# Altium PCB PCB.PcbDoc (part 4 of 4)
Units mm, origin at the board's own origin, x right, y up, seen from the top; angles counter-clockwise.
Board outline 120 x 75 mm, 4 copper layers (Top, GND 1, Power 2, Bottom), stack 1.586 mm thick; 171 components, 182 nets, 885 pads, 530 vias.
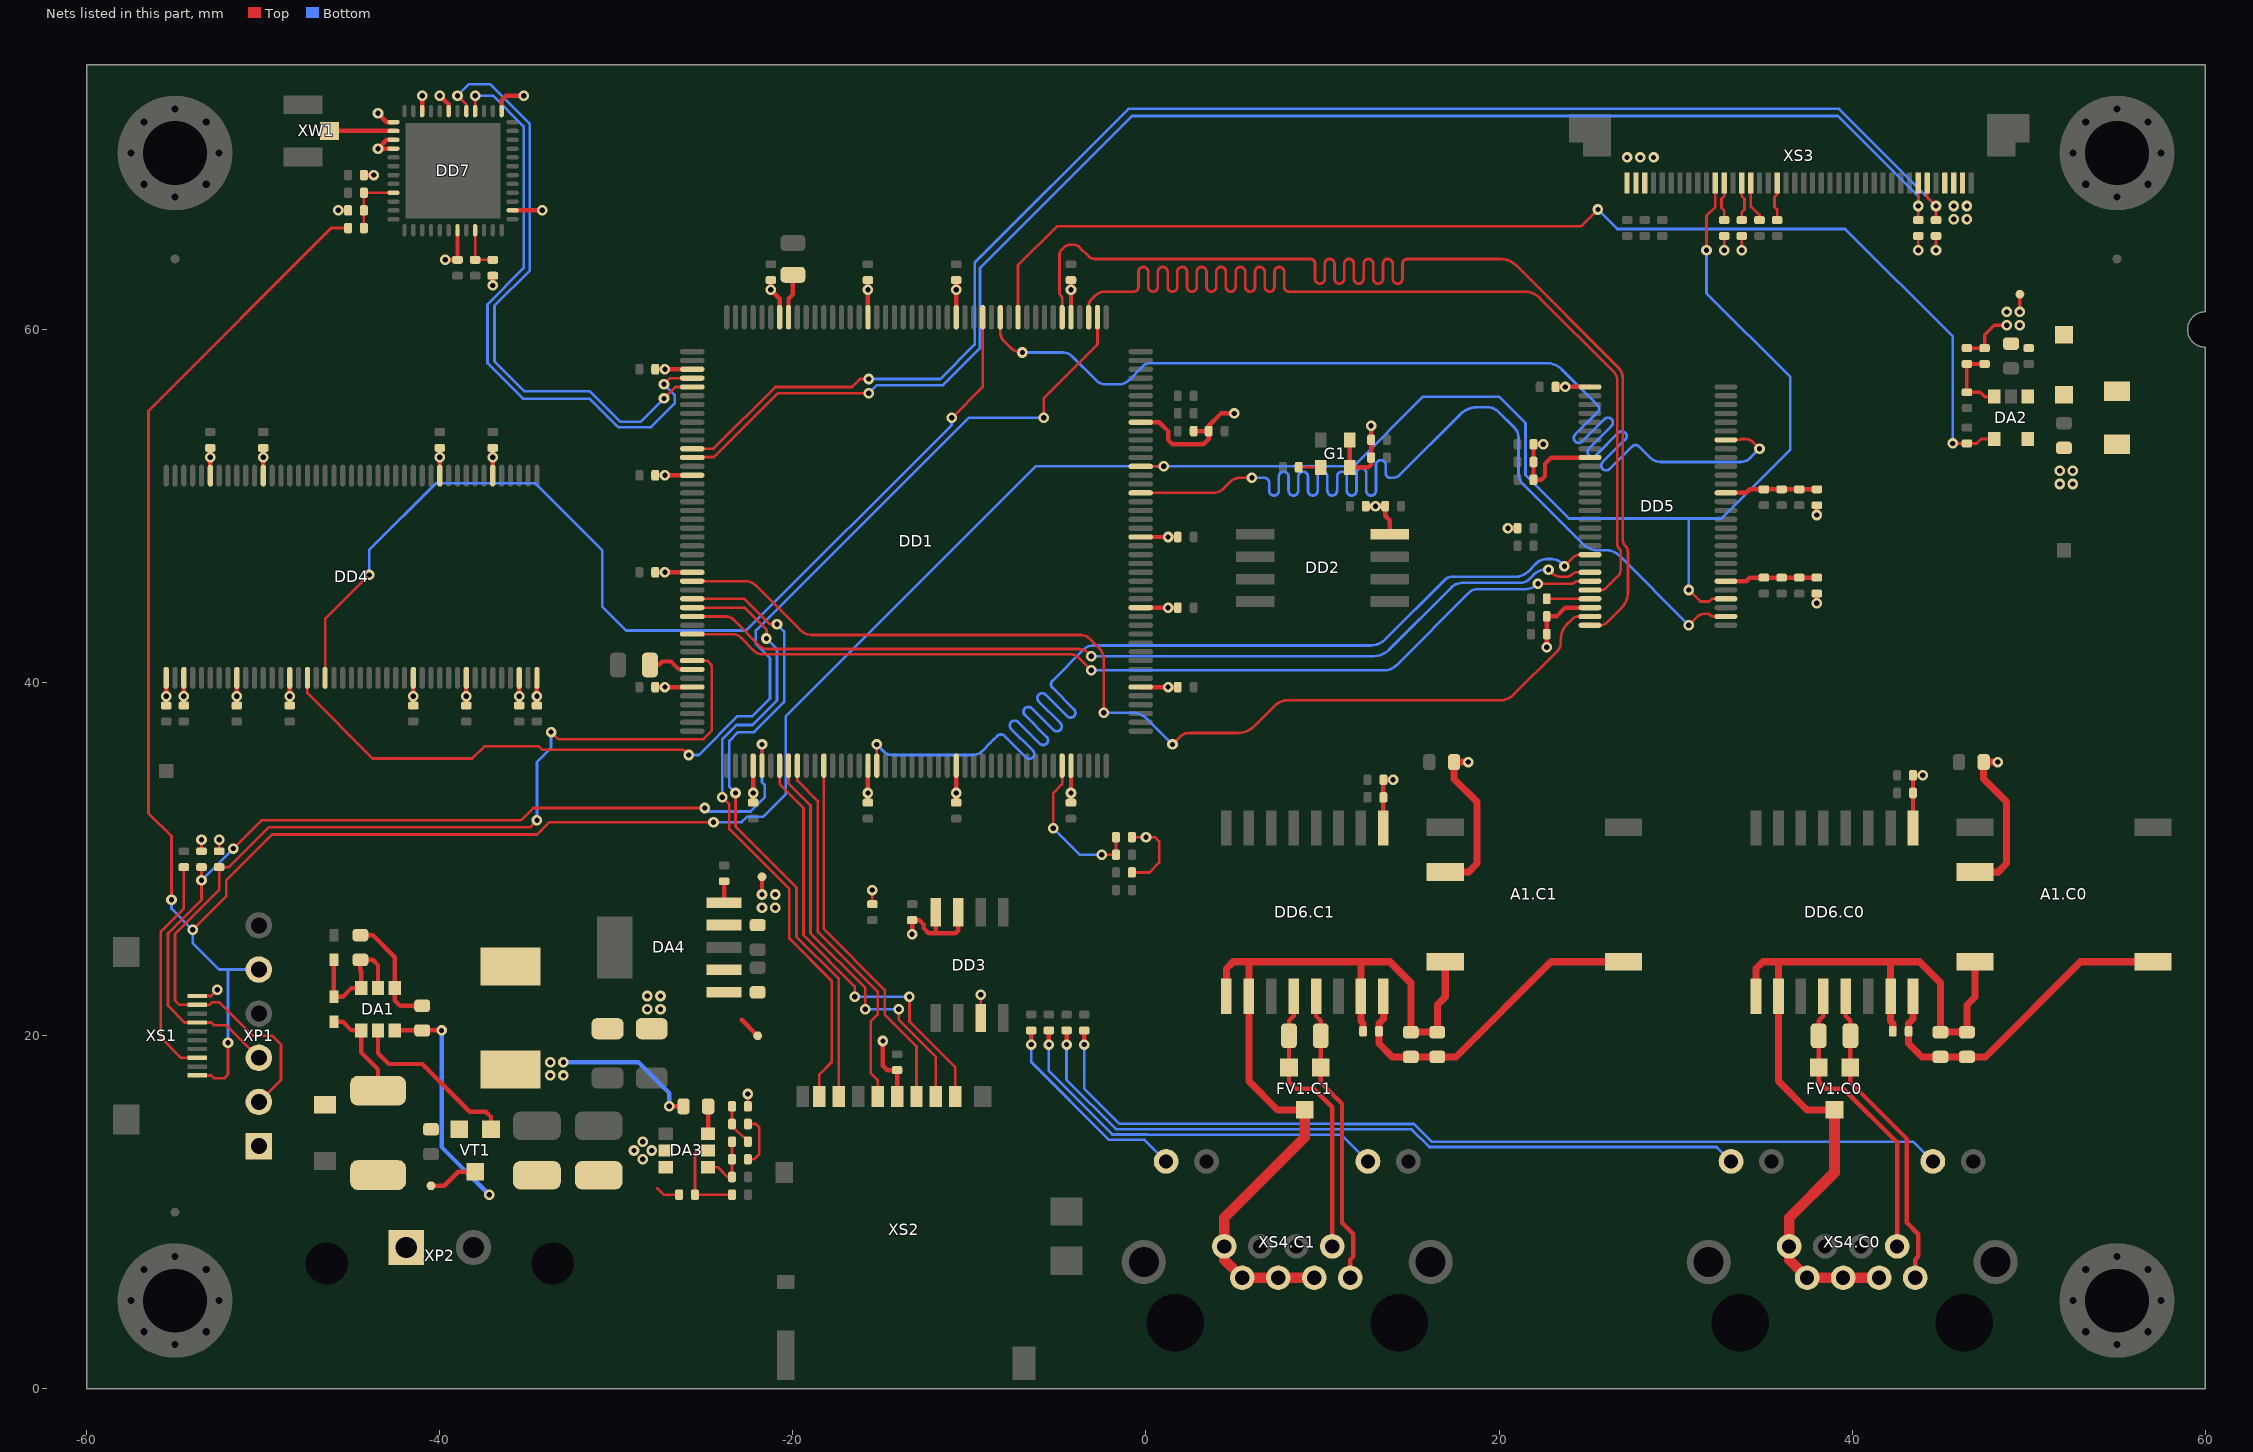
[diagram p6: the nets of this part, all layers, seen from the top]

## Via types
v1: diameter 0.6, hole 0.3, Top to Bottom, tented both sides, 505 vias
v2: diameter 0.6, hole 0.3, Top to Bottom, 25 vias

## Nets (pads, with @x,y where several pads share a name; then routed paths per layer and width w, separated by ;. In a path a pad name is that pad's centre, name@x,y a point inside that pad or via, vN(x,y) a via of type N, cw(c..) or ccw(c..) an arc to the next point about the centre after c; other vN are vias at no path point) (continued)
LCD_DATA19: DD1.150 DD5.20 | length 62.9
  Top w0.15: DD1.150@-15.25,35.3 v1(-15.25,36.5) ; v1(23.7,46.6) 24.2,47.1 cw(c24.562,46.738) 24.562,47.25 DD5.20@25.15,47.25
  Bottom w0.15: v1(-15.25,36.5) -14.827,36.077 ccw(c-14.4,36.504) -14.4,35.9 -9.8,35.9 ccw(c-9.8,36.624) -9.288,36.112 -8.8,36.6 -8.606,36.794 -8.411,36.989 cw(c-8.217,36.794) -8.022,36.989 -6.799,35.766 ccw(c-6.605,35.96) -6.41,35.766 ccw(c-6.605,35.96) -6.41,36.155 -7.633,37.378 cw(c-7.439,37.572) -7.633,37.767 cw(c-7.439,37.572) -7.244,37.767 -6.021,36.544 ccw(c-5.827,36.738) -5.632,36.544 ccw(c-5.827,36.738) -5.632,36.933 -6.855,38.156 cw(c-6.661,38.35) -6.855,38.545 cw(c-6.661,38.35) -6.467,38.545 -5.243,37.321 ccw(c-5.049,37.516) -4.855,37.321 ccw(c-5.049,37.516) -4.855,37.71 -6.078,38.933 cw(c-5.883,39.128) -6.078,39.322 cw(c-5.883,39.128) -5.689,39.322 -4.466,38.099 ccw(c-4.271,38.294) -4.077,38.099 ccw(c-4.271,38.294) -4.077,38.488 -5.3,39.711 cw(c-5.106,39.906) -5.3,40.1 -3.5,41.9 ; -3.5,41.9 cw(c-3.017,41.417) -3.017,42.1 12.705,42.1 ccw(c12.705,43.295) 13.55,42.45 16.9,45.8 ; 16.9,45.8 cw(c17.383,45.317) 17.383,46 20.961,46 ccw(c20.961,46.939) 21.625,46.275 22.103,46.753 cw(c22.7,46.155) 22.7,47 23,47 cw(c23,46.276) 23.512,46.788 v1(23.7,46.6)
LCD_DATA20: DD1.119 DD5.22 | length 53.8
  Top w0.15: DD1.119@-25.7,43.75 -23.8,43.75 cw(c-23.8,43.146) -23.373,43.573 -21.854,42.054 ccw(c-21.5,42.407) -21.5,41.907 -3.795,41.907 cw(c-3.795,41.212) -3.304,41.704 v1(-3.1,41.5) ; v1(22.8,46.4) 22.98,46.22 ccw(c23.512,46.752) 23.512,46 23.823,46 ccw(c23.823,46.427) 24.125,46.125 cw(c24.427,45.823) 24.427,46.25 DD5.22@25.15,46.25
  Bottom w0.15: v1(-3.1,41.5) 12.905,41.5 ccw(c12.905,42.695) 13.75,41.85 17.3,45.4 ; 17.301,45.401 cw(c17.904,44.796) 17.904,45.65 21.2,45.65 ccw(c21.2,46.374) 21.712,45.862 21.981,46.131 cw(c22.63,45.482) 22.63,46.4 v1(22.8,46.4)
LCD_DATA21: DD1.121 DD5.23 | length 53.6
  Top w0.15: DD1.121@-25.7,42.75 -23.433,42.75 cw(c-23.433,42.067) -22.95,42.55 -22.173,41.773 ccw(c-21.767,42.18) -21.767,41.605 -4.294,41.605 cw(c-4.294,40.906) -3.8,41.4 v1(-3.1,40.7) ; v1(22.2,45.6) 24.094,45.6 ccw(c24.094,45.856) 24.275,45.675 ; 24.275,45.675 cw(c24.456,45.494) 24.456,45.75 DD5.23@25.15,45.75
  Bottom w0.15: v1(-3.1,40.7) 13.5,40.7 ccw(c13.5,41.666) 14.183,40.983 18.3,45.1 cw(c18.783,44.617) 18.783,45.3 21.5,45.3 ccw(c21.5,46.266) 22.183,45.583 v1(22.2,45.6)
LCD_DATA22: DD1.47 DD5.24 | length 64.8
  Top w0.15: DD1.47@-3.25,60.7 -3.25,61.338 cw(c-2.738,61.338) -3.1,61.7 -2.875,61.925 cw(c-2.332,61.382) -2.332,62.15 -1.678,62.15 -1.675,62.148 -0.7,62.148 ccw(c-0.7,62.423) -0.425,62.423 -0.425,63.273 cw(c-0.15,63.273) -0.15,63.548 cw(c-0.15,63.273) 0.125,63.273 0.125,62.423 ccw(c0.4,62.423) 0.4,62.148 ccw(c0.4,62.423) 0.675,62.423 0.675,63.273 cw(c0.95,63.273) 0.95,63.548 cw(c0.95,63.273) 1.225,63.273 1.225,62.423 ccw(c1.5,62.423) 1.5,62.148 ccw(c1.5,62.423) 1.775,62.423 1.775,63.273 cw(c2.05,63.273) 2.05,63.548 cw(c2.05,63.273) 2.325,63.273 2.325,62.423 ccw(c2.6,62.423) 2.6,62.148 ccw(c2.6,62.423) 2.875,62.423 2.875,63.273 cw(c3.15,63.273) 3.15,63.548 cw(c3.15,63.273) 3.425,63.273 3.425,62.423 ccw(c3.7,62.423) 3.7,62.148 ccw(c3.7,62.423) 3.975,62.423 3.975,63.273 cw(c4.25,63.273) 4.25,63.548 cw(c4.25,63.273) 4.525,63.273 4.525,62.423 ccw(c4.8,62.423) 4.8,62.148 ccw(c4.8,62.423) 5.075,62.423 5.075,63.273 cw(c5.35,63.273) 5.35,63.548 cw(c5.35,63.273) 5.625,63.273 5.625,62.423 ccw(c5.9,62.423) 5.9,62.148 ccw(c5.9,62.423) 6.175,62.423 ; 6.175,63.273 cw(c6.45,63.273) 6.45,63.548 cw(c6.45,63.273) 6.725,63.273 6.725,62.423 ccw(c7,62.423) 7,62.148 ccw(c7,62.423) 7.275,62.423 7.275,63.273 cw(c7.55,63.273) 7.55,63.548 cw(c7.55,63.273) 7.825,63.273 7.825,62.423 ccw(c8.1,62.423) 8.1,62.148 8.375,62.148 8.7,62.148 21.459,62.148 cw(c21.459,60.957) 22.301,61.799 26.45,57.65 cw(c25.852,57.052) 26.698,57.052 26.698,48.112 26.698,47.843 ccw(c27.043,47.843) 26.698,47.842 ccw(c27.043,47.843) 26.799,47.599 cw(c26.554,47.354) 26.9,47.354 26.9,46.483 cw(c26.217,46.483) 26.7,46 26.05,45.35 cw(c25.809,45.591) 25.809,45.25 DD5.24@25.15,45.25 ; 6.175,62.423 6.175,63.273
LCD_DATA23: DD5.25 R1.1 | length 2.4
  Top w0.15: R1.1@22.7,44.75 DD5.25@25.15,44.75
LCD_DATA24: DD1.115 DD5.27 | length 59.8
  Top w0.15: DD1.115@-25.7,45.75 -22.704,45.75 cw(c-22.704,44.896) -22.101,45.501 ; -22.1,45.5 -19.583,42.983 ; -19.582,42.982 ccw(c-18.9,43.666) -18.9,42.7 -3.7,42.7 cw(c-3.7,41.976) -3.188,42.488 -2.65,41.95 cw(c-3.254,41.346) -2.4,41.346 v1(-2.4,38.3) ; v1(1.5,36.5) 1.95,36.95 cw(c2.433,36.467) 2.433,37.15 5.2,37.15 ccw(c5.2,38.478) 6.138,37.538 7.3,38.7 ; 7.3,38.7 cw(c8.024,37.976) 8.024,39 20.076,39 ccw(c20.076,40.024) 20.8,39.3 23.329,41.829 ccw(c22.915,42.242) 23.5,42.242 23.5,42.484 cw(c24.624,42.484) 23.829,43.279 ; 23.829,43.279 24.159,43.609 cw(c24.5,43.267) 24.5,43.75 DD5.27@25.15,43.75
  Bottom w0.15: v1(-2.4,38.3) -0.795,38.3 cw(c-0.795,37.105) 0.05,37.95 v1(1.5,36.5)
LCD_DATA25: DD1.50 DD5.28 | length 66
  Top w0.15: DD1.50@-4.75,60.7 -4.75,61.744 ccw(c-5.006,61.744) -4.825,61.925 cw(c-4.644,62.106) -4.9,62.106 -4.9,64.25 cw(c-4.538,64.25) -4.794,64.506 -4.647,64.653 ; -4.647,64.653 cw(c-4.292,64.298) -4.292,64.8 -4.096,64.8 cw(c-4.096,64.327) -3.761,64.661 -3.241,64.141 ccw(c-2.9,64.483) -2.9,64 8.75,64 9.025,64 9.3,64 cw(c9.3,63.725) 9.575,63.725 9.575,62.875 ccw(c9.85,62.875) 9.85,62.6 ccw(c9.85,62.875) 10.125,62.875 10.125,63.725 cw(c10.4,63.725) 10.4,64 cw(c10.4,63.725) 10.675,63.725 10.675,62.875 ccw(c10.95,62.875) 10.95,62.6 ccw(c10.95,62.875) 11.225,62.875 11.225,63.725 cw(c11.5,63.725) 11.5,64 cw(c11.5,63.725) 11.775,63.725 11.775,62.875 ccw(c12.05,62.875) 12.05,62.6 ccw(c12.05,62.875) 12.325,62.875 12.325,63.725 cw(c12.6,63.725) 12.6,64 cw(c12.6,63.725) 12.875,63.725 12.875,62.875 ccw(c13.15,62.875) 13.15,62.6 ccw(c13.15,62.875) 13.425,62.875 13.425,63.725 cw(c13.7,63.725) 13.7,64 cw(c13.7,63.725) 13.975,63.725 13.975,62.875 ccw(c14.25,62.875) 14.25,62.6 ccw(c14.25,62.875) 14.525,62.875 14.525,63.725 cw(c14.8,63.725) 14.8,64 16.1,64 20.1,64 cw(c20.1,62.793) 20.954,63.646 26.75,57.85 cw(c26.147,57.247) 27,57.247 27,48.112 ccw(c27.512,48.112) 27.15,47.75 ; DD5.28@25.15,43.25 25.738,43.25 ccw(c25.738,43.762) 26.1,43.4 26.9,44.2 ccw(c25.934,45.166) 27.3,45.166 27.3,47.388 ccw(c26.788,47.388) 27.15,47.75
LCD_DATA26: DD1.28 DD5.30 | length 56.6
  Top w0.15: DD1.28@-0.3,50.75 3.796,50.75 ccw(c3.796,51.604) 4.4,51 4.788,51.388 cw(c5.3,50.876) 5.3,51.6 v1(6,51.6) ; v1(30.75,43.25) 31.223,43.723 cw(c31.65,43.296) 31.65,43.9 31.794,43.9 cw(c31.794,43.644) 31.975,43.825 ; 31.975,43.825 ccw(c32.156,44.006) 32.156,43.75 DD5.30@32.85,43.75
  Bottom w0.15: v1(6,51.6) 6.7,51.6 cw(c6.7,51.325) 6.975,51.325 6.975,50.875 ccw(c7.25,50.875) 7.25,50.6 ccw(c7.25,50.875) 7.525,50.875 7.525,51.6 7.525,51.673 cw(c7.8,51.673) 7.8,51.948 cw(c7.8,51.673) 8.075,51.673 8.075,51.6 8.075,50.875 ccw(c8.35,50.875) 8.35,50.6 ccw(c8.35,50.875) 8.625,50.875 8.625,51.6 8.625,51.673 cw(c8.9,51.673) 8.9,51.948 cw(c8.9,51.673) 9.175,51.673 9.175,51.6 9.175,50.875 ccw(c9.45,50.875) 9.45,50.6 ccw(c9.45,50.875) 9.725,50.875 9.725,51.6 9.725,51.673 cw(c10,51.673) 10,51.948 cw(c10,51.673) 10.275,51.673 10.275,51.6 10.275,50.875 ccw(c10.55,50.875) 10.55,50.6 ccw(c10.55,50.875) 10.825,50.875 10.825,51.6 10.825,51.673 cw(c11.1,51.673) 11.1,51.948 cw(c11.1,51.673) 11.375,51.673 11.375,51.6 11.375,50.875 ccw(c11.65,50.875) 11.65,50.6 ccw(c11.65,50.875) 11.925,50.875 11.925,51.6 11.925,51.883 cw(c12.2,51.883) 12.2,52.158 cw(c12.2,51.883) 12.475,51.883 12.475,51.6 12.475,50.875 ccw(c12.75,50.875) 12.75,50.6 ccw(c12.75,50.875) 13.025,50.875 13.025,51.6 13.025,52.325 cw(c13.3,52.325) 13.3,52.6 cw(c13.3,52.325) 13.575,52.325 13.575,51.875 ccw(c13.85,51.875) 13.85,51.6 13.987,51.6 ccw(c13.987,52.113) 14.35,51.75 17.8,55.2 ; 17.801,55.201 cw(c18.766,54.234) 18.766,55.6 19.346,55.6 cw(c19.346,54.746) 19.95,55.35 20.888,54.412 cw(c20.376,53.9) 21.1,53.9 21.1,51.854 ccw(c21.954,51.854) 21.35,51.25 24.75,47.85 ccw(c25.595,48.695) 25.595,47.5 26.1,47.5 cw(c26.1,46.534) 26.783,47.217 v1(30.75,43.25)
LCD_DATA27: DD1.57 DD5.50 | length 62.9
  Top w0.15: DD1.57@-8.25,60.7 -8.25,59.833 ccw(c-7.567,59.833) -8.05,59.35 ; -8.05,59.35 -7.683,58.983 ccw(c-7,59.666) v1(-7,58.7) ; DD5.50@32.85,53.75 33.65,53.75 33.7,53.8 33.95,53.8 cw(c33.95,53.196) 34.377,53.623 v1(34.75,53.25)
  Bottom w0.15: v1(-7,58.7) -4.7,58.7 cw(c-4.7,57.976) -4.188,58.488 -2.829,57.129 ccw(c-2.276,57.683) -2.276,56.9 -1.518,56.9 ccw(c-1.518,57.668) -0.975,57.125 ; -0.975,57.125 -0.2,57.9 cw(c0.283,57.417) 0.283,58.1 22.705,58.1 cw(c22.705,56.905) 23.55,57.75 25.2,56.1 25.394,55.906 25.589,55.711 cw(c25.394,55.517) 25.589,55.322 24.313,54.047 ccw(c24.508,53.852) 24.313,53.658 ccw(c24.508,53.852) 24.702,53.658 25.978,54.933 cw(c26.172,54.739) 26.367,54.933 cw(c26.172,54.739) 26.367,54.544 25.091,53.269 ccw(c25.286,53.074) 25.091,52.88 ccw(c25.286,53.074) 25.48,52.88 26.756,54.155 cw(c26.95,53.961) 27.145,54.155 cw(c26.95,53.961) 27.145,53.767 25.869,52.491 ccw(c26.063,52.297) 25.869,52.102 ccw(c26.063,52.297) 26.258,52.102 27.533,53.378 cw(c27.728,53.183) 27.922,53.378 28.55,52.75 ccw(c29.154,53.354) 29.154,52.5 33.7,52.5 ccw(c33.7,53.224) 34.212,52.712 v1(34.75,53.25)
LCD_DATA_FORMAT: R19.1 XS3.23 | length 2.2
  Top w0.15: R19.1@35.75,66.2 35.75,66.8 35.602,66.948 35.602,67.5 35.75,67.648 XS3.23@35.75,68.3
LCD_I2C_SCL: DD1.100 R21.2 XS3.6 | length 85.7
  Top w0.15: DD1.100@-25.7,53.25 -24.5,53.25 -21,56.75 -16.65,56.75 -16.2,57.2 v1(-15.7,57.2) ; XS3.6@44.25,68.3 44.25,67.5 v1(44.75,67) R21.2@44.75,66.2
  Bottom w0.15: v1(-15.7,57.2) -11.652,57.2 -9.702,59.15 -9.702,63.625 -9.7,63.628 -9.7,63.8 -1,72.5 39.25,72.5 v1(44.75,67)
LCD_I2C_SDA: DD1.101 R22.2 XS3.7 | length 84.7
  Top w0.15: DD1.101@-25.7,52.75 -25.673,52.777 -24.473,52.777 -20.85,56.4 v1(-15.7,56.4) ; R22.2@43.75,66.2 XS3.7@43.75,68.3
  Bottom w0.15: v1(-15.7,56.4) -15.25,56.85 -11.5,56.85 -9.4,58.95 -9.4,63.5 -0.8,72.1 39.2,72.1 43.75,67.55 v1(43.75,67)
LCD_PWR_EN: DA2.4 DD1.55 R32.2 | length 68.7
  Top w0.15: DD1.55@-7.25,60.7 -7.25,63.65 -5.05,65.85 24.65,65.85 v1(25.6,66.8) ; v1(45.7,53.55) R32.2@46.5,53.55 47.05,53.55 47.3,53.8 DA2.4@48.05,53.8
  Bottom w0.15: v1(25.6,66.8) 26.7,65.7 39.6,65.7 45.7,59.6 v1(45.7,53.55)
LCD_RESET: R17.1 XS3.29 | length 2.2
  Top w0.15: R17.1@32.75,66.2 32.75,66.75 32.6,66.9 32.6,67.4 32.75,67.55 XS3.29@32.75,68.3
LCD_SHLR: R16.1 XS3.27 | length 2.2
  Top w0.15: R16.1@33.75,66.2 33.75,66.65 33.9,66.8 33.9,67.4 33.75,67.55 XS3.27@33.75,68.3
LCD_SHTDN: DD1.31 DD5.32 R27.1 XP1.5 XS1.10 XS3.30 | length 196.4
  Top w0.15: v1(-55.2,27.7) -55.2,31.3 -56.5,32.6 -56.5,55.4 -46.15,65.75 R27.1@-45.2,65.75 ; v1(-54,26) -52.1,27.9 -52.1,28.8 -49.5,31.4 -34.5,31.4 -33.8,32.1 v1(-24.5,32.1) ; XS1.10@-53.75,17.75 -52.95,17.75 -52.8,17.6 -52.2,17.6 -52,17.8 v1(-52,19.6) ; DD1.31@-0.3,52.25 v1(1,52.25) ; v1(30.75,45.25) 31.4,44.6 31.9,44.6 32.05,44.75 DD5.32@32.85,44.75 ; v1(31.75,64.5) 31.75,66.45 32.25,66.95 XS3.30@32.25,68.3
  Bottom w0.15: v1(-55.2,27.7) -55.2,27.2 v1(-54,26) -54,25.25 -52.5,23.75 -52,23.75 ; v1(-52,19.6) -52,23.75 ; XP1.5@-50.25,23.75 -52,23.75 ; v1(-24.5,32.1) -22.9,32.1 -22.6,32.4 -21.7,32.4 -20.4,33.7 -20.4,38.1 -6.25,52.25 v1(1,52.25) 11.75,52.25 15.7,56.2 20,56.2 21.5,54.7 21.5,51.75 23.95,49.3 30.75,49.3 ; v1(30.75,45.25) 30.75,49.3 ; v1(31.75,64.5) 31.75,62.05 36.5,57.3 36.5,53.2 32.6,49.3 30.75,49.3
LCD_UPDN: R18.1 XS3.26 | length 2.3
  Top w0.15: XS3.26@34.25,68.3 34.25,67 34.75,66.5 R18.1@34.75,66.2
NetA1.C0_4: A1.C0.4 C53.C0.1 C54.C0.1 DD6.C0.9 DD6.C0.10 DD6.C0.15 FV1.C0.2 R23.C0.1 XS4.C0.3 XS4.C0.5 XS4.C0.7 XS4.C0.8 | length 50.8
  Top w0.4: DD6.C0.9@34.555,22.237 34.555,23.805 34.94,24.19 35.825,24.19 ; FV1.C0.2@39,15.8 37.45,15.8 35.825,17.425 DD6.C0.10@35.825,22.237 35.825,24.19 ; C53.C0.1@42.3,20.25 42.3,20.7 42.175,20.825 DD6.C0.15@42.175,22.237 42.175,24.19 ; A1.C0.4@46.95,24.19 46.95,22.2 46.5,21.75 R23.C0.1@46.5,20.2 C54.C0.1@45,20.2 45,23 43.81,24.19 42.175,24.19 ; 35.825,24.19 42.175,24.19
  Top w0.6: FV1.C0.2@39,15.8 39,12.25 36.43,9.68 XS4.C0.8@36.43,8.07 36.43,7.31 XS4.C0.7@37.45,6.29 XS4.C0.5@39.49,6.29 XS4.C0.3@41.53,6.29
NetA1.C0_5: A1.C0.5 C53.C0.2 C54.C0.2 DD6.C0.16 R23.C0.2 | length 19.2
  Top w0.4: DD6.C0.16@43.445,22.237 43.445,20.945 43.2,20.7 C53.C0.2@43.2,20.25 43.2,19.55 43.95,18.8 C54.C0.2@45,18.8 R23.C0.2@46.5,18.8 47.55,18.8 52.94,24.19 A1.C0.5@57.05,24.19
NetA1.C1_4: A1.C1.4 C53.C1.1 C54.C1.1 DD6.C1.9 DD6.C1.10 DD6.C1.15 FV1.C1.2 R23.C1.1 XS4.C1.3 XS4.C1.5 XS4.C1.7 XS4.C1.8 | length 51.7
  Top w0.4: DD6.C1.9@4.555,22.237 4.555,23.805 4.94,24.19 5.825,24.19 ; FV1.C1.2@9,15.8 7.45,15.8 5.825,17.425 DD6.C1.10@5.825,22.237 5.825,24.19 ; C53.C1.1@12.3,20.25 12.3,20.7 12.175,20.825 DD6.C1.15@12.175,22.237 12.175,24.19 ; A1.C1.4@16.95,24.19 16.95,22.2 16.5,21.75 R23.C1.1@16.5,20.2 C54.C1.1@15,20.2 15,23 13.81,24.19 12.175,24.19 ; 5.825,24.19 12.175,24.19
  Top w0.6: FV1.C1.2@9,15.8 9,14.25 4.43,9.68 XS4.C1.8@4.43,8.07 4.43,7.31 XS4.C1.7@5.45,6.29 XS4.C1.5@7.49,6.29 XS4.C1.3@9.53,6.29
NetA1.C1_5: A1.C1.5 C53.C1.2 C54.C1.2 DD6.C1.16 R23.C1.2 | length 19.2
  Top w0.4: DD6.C1.16@13.445,22.237 13.445,20.945 13.2,20.7 C53.C1.2@13.2,20.25 13.2,19.55 13.95,18.8 C54.C1.2@15,18.8 R23.C1.2@16.5,18.8 17.55,18.8 22.94,24.19 A1.C1.5@27.05,24.19
NetC24_2: C24.2 DD1.125 | length 2.7
  Top w0.25: C24.2@-28.1,41 -27.6,41 -27.4,41.2 -26.9,41.2 -26.45,40.75 DD1.125@-25.7,40.75
NetC25_2: C25.2 DD1.81 | length 2.5
  Top w0.25: DD1.81@-20.25,60.7 -20.25,61.75 -20,62 C25.2@-20,63.1
NetC55_2: C55.2 DD7.9 R27.2 R30.1 | length 3.7
  Top w0.15: R27.2@-44.3,65.75 R30.1@-44.3,66.75 C55.2@-44.3,67.75 DD7.9@-42.625,67.75
NetC59_2: C59.2 DA1.4 FP1.2 FV2.2 VD1.2 VT1.2 | length 5.6
  Top w0.25: VD1.2@-46,20.8 -45.5,20.8 -45,20.3 DA1.4@-44.45,20.3 -44.45,19.05 -43.5,18.1 FP1.2@-43.5,16.89
NetC60_1: C60.1 DA1.2 DA1.3 VD1.1 VD2.1 | length 7.9
  Top w0.25: VD2.1@-46,24.3 VD1.1@-46,22.2 -45.5,22.2 -45,22.7 DA1.3@-44.45,22.7 -44.45,23.65 -44.5,23.7 C60.1@-44.5,24.3 -43.8,24.3 -43.5,24 DA1.2@-43.5,22.7
NetC60_2: C60.2 DA1.1 R31.1 | length 6.6
  Top w0.25: C60.2@-44.5,25.7 -43.8,25.7 -42.55,24.45 DA1.1@-42.55,22.7 -42.55,22 -42.25,21.7 R31.1@-41,21.7
NetC61_2: C61.2 C63.2 DA1.6 DA3.3 KT3.1 R31.2 R33.2 VT1.3 | length 17.3
  Top w0.15: -27.675,11.35 -27.325,11 R33.2@-26.45,11
  Top w0.25: DA1.6@-42.55,20.3 R31.2@-41,20.3 v1(-39.9,20.3) ; KT3.1@-40.5,11.5 -39.75,11.5 -38.95,12.3 VT1.3@-38,12.3
  Bottom w0.25: v1(-39.9,20.3) -39.9,13.7 v1(-37.2,11)
NetC65_1: C65.1 DA3.2 L5.1 | length 8.3
  Top w0.25: v1(-27,16) C65.1@-26.2,16
  Bottom w0.25: v1(-33,18.5) -28.75,18.5 -27,16.75 v1(-27,16)
  other v1: -28.5,13 -29,13.5 -28,13.5 -28.5,14 -33.75,17.75 -33,17.75 -33.75,18.5
NetC65_2: C65.2 DA3.6 | length 1.6
  Top w0.25: DA3.6@-24.8,14.45 C65.2@-24.8,16
NetC66_1: C66.1 DA3.4 R36.2 R39.1 | length 3.6
  Top w0.15: DA3.4@-24.8,12.55 -24.25,12.55 -23.7,12 R36.2@-23.45,12 C66.1@-23.45,13 R39.1@-23.45,14
NetC66_2: C66.2 R38.1 | length 3
  Top w0.15: C66.2@-22.55,13 -22.2,13 -21.9,13.3 -21.9,14.8 -22.1,15 R38.1@-22.55,15
NetC67_2: C67.2 DA4.5 | length 1.2
  Top w0.25: DA4.5@-23.9,27.54 C67.2@-23.9,28.75
NetC68_1: C68.1 DA2.3 R35.2 R37.2 | length 4.3
  Top w0.2: R37.2@47.5,58.05 C68.1@46.5,58.05 R35.2@46.5,56.45 47.25,56.45 47.5,56.2 DA2.3@48.05,56.2
NetDA1_5: DA1.5 VT1.1 | length 9.9
  Top w0.25: DA1.5@-43.5,20.3 -43.5,19 -42.9,18.4 -41,18.4 -38.3,15.7 -37.4,15.7 -37.1,15.4 VT1.1@-37.1,14.7
NetDA2_1: DA2.1 L4.2 VD3.1
NetDA3_5: DA3.5 R33.1 R34.2 | length 5.3
  Top w0.15: DA3.5@-24.8,13.5 -25.4,13.5 -25.55,13.35 R33.1@-25.55,11 R34.2@-23.45,11
NetDD6.C0_12: DD6.C0.12 FV1.C0.3 R24.C0.1 XS4.C0.2 | length 16.7
  Top w0.25: DD6.C0.12@38.365,22.237 38.365,21.115 38.1,20.85 R24.C0.1@38.1,20 FV1.C0.3@38.1,18.2 38.1,17.4 38.5,17 39.5,17 42.55,13.95 XS4.C0.2@42.55,8.07
NetDD6.C0_13: DD6.C0.13 FV1.C0.1 R24.C0.2 XS4.C0.1 | length 17.7
  Top w0.25: DD6.C0.13@39.635,22.237 39.635,21.115 39.9,20.85 R24.C0.2@39.9,20 FV1.C0.1@39.9,18.2 39.9,17.35 43.1,14.15 43.1,9.4 43.75,8.75 43.75,7.5 43.57,7.32 XS4.C0.1@43.57,6.29
NetDD6.C1_12: DD6.C1.12 FV1.C1.3 R24.C1.1 XS4.C1.2 | length 15.9
  Top w0.25: DD6.C1.12@8.365,22.237 8.365,21.115 8.1,20.85 R24.C1.1@8.1,20 FV1.C1.3@8.1,18.2 8.1,17.4 8.5,17 9.5,17 10.55,15.95 XS4.C1.2@10.55,8.07
NetDD6.C1_13: DD6.C1.13 FV1.C1.1 R24.C1.2 XS4.C1.1 | length 16.9
  Top w0.25: DD6.C1.13@9.635,22.237 9.635,21.115 9.9,20.85 R24.C1.2@9.9,20 FV1.C1.1@9.9,18.2 9.9,17.35 11.1,16.15 11.1,9.4 11.75,8.75 11.75,7.5 11.57,7.32 XS4.C1.1@11.57,6.29
NetDD7_2: DD7.2 XW1.1 | length 3.6
  Top w0.25: XW1.1@-46.25,71.25 DD7.2@-42.625,71.25
NetDD7_21: DD7.21 R28.1 R29.2 | length 2.7
  Top w0.15: DD7.21@-38,65.625 R29.2@-38,63.95 R28.1@-37,63.95
NetFP1_1: FP1.1 XP2.1
NetG1_3: G1.3 R11.1 | length 1.3
  Top w0.15: R11.1@8.65,52.2 G1.3@9.9,52.2
NetR8_2: R8.2 XS1.8 | length 12.7
  Top w0.15: R8.2@-54.5,29.55 -54.5,27.2 -55.8,25.9 -55.8,19.9 -54.65,18.75 XS1.8@-53.75,18.75
NetR25.C0_2: R25.C0.2 XS4.C0.10 | length 53.1
  Top w0.25: v1(-3.5,19.5) R25.C0.2@-3.5,20.3
  Bottom w0.15: v1(-3.5,19.5) -3.5,17 -1.507,15.007 0.296,15.007 0.298,15.005 11.301,15.005 11.303,15.002 15.175,15.002 16.175,14.002 32.445,14.002 32.448,14 43.45,14 XS4.C0.10@44.57,12.88
NetR25.C1_2: R25.C1.2 XS4.C1.10 | length 22.5
  Top w0.25: v1(-5.5,19.5) R25.C1.2@-5.5,20.3
  Bottom w0.15: v1(-5.5,19.5) -5.5,18 -1.902,14.402 0.045,14.402 0.048,14.4 11.05,14.4 XS4.C1.10@12.57,12.88
NetR26.C0_2: R26.C0.2 XS4.C0.12 | length 42.4
  Top w0.25: v1(-4.5,19.5) R26.C0.2@-4.5,20.3
  Bottom w0.15: v1(-4.5,19.5) -4.5,17.5 -1.705,14.705 0.171,14.705 0.173,14.702 11.175,14.702 11.178,14.7 15.05,14.7 16.05,13.7 32.32,13.7 XS4.C0.12@33.14,12.88
NetR26.C1_2: R26.C1.2 XS4.C1.12 | length 11.8
  Top w0.25: v1(-6.5,19.5) R26.C1.2@-6.5,20.3
  Bottom w0.15: v1(-6.5,19.5) -6.5,18.5 -2.1,14.1 -0.08,14.1 XS4.C1.12@1.14,12.88
NetR38_2: R38.2 R39.2 R40.1 | length 2.4
  Top w0.15: R40.1@-23.45,16 R38.2@-23.45,15 -23.45,14.9 R39.2@-22.55,14
PDR_ON: DD1.171 R4.1 R5.1 | length 8.9
  Top w0.15: v1(-5.25,31.75) -5.25,33.75 -4.75,34.25 DD1.171@-4.75,35.3 ; v1(-2.5,30.25) R5.1@-1.7,30.25 R4.1@-1.7,31.25
  Bottom w0.15: v1(-5.25,31.75) -3.75,30.25 v1(-2.5,30.25)
RAS_N: DD1.59 DD4.19 | length 59.8
  Top w0.15: DD4.19@-46.5,40.275 -46.5,43.6 v1(-44,46.1) ; v1(-11,55) -9.25,56.75 DD1.59@-9.25,60.7
  Bottom w0.15: v1(-44,46.1) -44,47.5 -40.202,51.298 -39.23,51.298 -39.225,51.302 -34.602,51.302 -30.798,47.498 -30.798,44.298 -29.45,42.95 -22.65,42.95 -11.021,54.579 -11.021,54.979 v1(-11,55)
SDMMC_CLK: DD1.141 XS2.5 | length 21
  Top w0.15: DD1.141@-19.75,35.3 -19.75,34.45 -18.6,33.3 -18.6,25.9 -15.2,22.5 -15.2,21.2 -15.6,20.8 -15.6,17.9 -15.2,17.5 XS2.5@-15.2,16.55
SDMMC_CMD: DD1.144 XS2.3 | length 20.9
  Top w0.15: DD1.144@-18.25,35.3 -18.25,26.05 -14.8,22.6 -14.8,21.2 -13,19.4 XS2.3@-13,16.55
SDMMC_D0: DD1.117 XS2.7 | length 36.7
  Top w0.15: DD1.117@-25.7,44.75 -22.75,44.75 -21.3,43.3 v1(-20.9,43.3) ; v1(-23.25,33.75) -23.25,31.85 -19.8,28.4 -19.8,25.6 -17.4,23.2 XS2.7@-17.4,16.55
  Bottom w0.15: v1(-23.25,33.75) -23.6,34.1 -23.6,36.7 -23.1,37.2 -22.2,37.2 -20.5,38.9 -20.5,42.9 v1(-20.9,43.3)
SDMMC_D1: DD1.118 XS2.8 | length 36.1
  Top w0.15: DD1.118@-25.7,44.25 -22.75,44.25 -21.5,43 v1(-21.5,42.5) ; v1(-24,33.5) -23.6,33.1 -23.6,31.7 -20.2,28.3 -20.2,25.5 -17.8,23.1 -17.8,18.5 -18.5,17.8 XS2.8@-18.5,16.55
  Bottom w0.15: v1(-24,33.5) -24,36.8 -23.2,37.6 -22.3,37.6 -20.9,39 -20.9,41.9 v1(-21.5,42.5)
SDMMC_D2: DD1.139 XS2.1 | length 24.7
  Top w0.15: DD1.139@-20.75,35.3 -20.75,34.25 -19.4,32.9 -19.4,25.7 -16.5,22.8 v1(-16.5,22.2) ; v1(-13.4,22.2) -13.4,20.8 -10.8,18.2 XS2.1@-10.8,16.55
  Bottom w0.15: v1(-16.5,22.2) v1(-13.4,22.2)
SDMMC_D3: DD1.140 XS2.2 | length 23.3
  Top w0.15: DD1.140@-20.25,35.3 -20.25,34.3 -19,33.05 -19,25.8 -15.9,22.7 v1(-15.9,21.5) ; v1(-14,21.5) -14,20.9 -11.9,18.8 XS2.2@-11.9,16.55
  Bottom w0.15: v1(-15.9,21.5) v1(-14,21.5)
SWD_CLK: DD1.137 R7.2 XP1.3 XS1.4 | length 53.1
  Top w0.15: R7.2@-53.5,29.55 -53.5,27.7 -55.4,25.8 -55.4,21.7 -54.45,20.75 XS1.4@-53.75,20.75 -52.95,20.75 -52.8,20.6 -52.1,20.6 XP1.3@-50.25,18.75 ; v1(-51.7,30.6) -50.1,32.2 -35.4,32.2 -34.7,32.9 v1(-25,32.9) ; DD1.137@-21.75,35.3 v1@-21.75,36.25
  Bottom w0.15: v1(-53.5,28.8) v1(-51.7,30.6) ; v1(-25,32.9) -25,32.705 -24.998,32.702 -22.398,32.702 -21.6,33.5 -21.6,34.2 -21.75,34.35 v1(-21.75,36.5)
SWD_IO: DD1.124 R6.2 XP1.2 XS1.2 | length 58.3
  Top w0.15: XP1.2@-50.25,16.25 -49,17.5 -49,19.5 -49.5,20 -50.6,20 -52.5,21.9 -52.9,21.9 -53.05,21.75 XS1.2@-53.75,21.75 -54.75,21.75 -55,22 -55,25.75 -52.5,28.25 R6.2@-52.5,29.55 -51.95,29.55 -49.7,31.8 -34.9,31.8 v1(-34.5,32.2) ; v1(-33.7,37.2) -33.3,36.8 -25.066,36.8 -24.6,37.266 -24.6,40.954 -24.627,40.982 -24.627,41.027 -24.85,41.25 DD1.124@-25.7,41.25
  Bottom w0.15: v1(-34.5,32.2) -34.5,35.5 -33.7,36.3 v1(-33.7,37.2)
VCC3P3: C1.2 C2.2 C3.2 C4.2 C5.2 C6.1 C7.1 C8.1 C9.1 C10.1 C11.1 C12.1 C13.1 C14.1 C15.1 C16.1 C17.1 C18.1 C19.1 C20.1 C21.1 C26.1 C27.1 C28.1 C29.1 C30.1 C31.1 C32.1 C33.1 C34.1 C35.1 C36.1 C37.1 C38.1 C39.1 C40.1 C41.1 C42.1 C43.1 C50.C0.2 C50.C1.2 C51.C0.2 C51.C1.2 C56.2 C57.2 C69.2 DA4.4 DD1.6 DD1.15 DD1.23 DD1.36 DD1.49 DD1.62 DD1.72 DD1.82 DD1.91 DD1.103 DD1.114 DD1.127 DD1.136 DD1.149 DD1.159 DD1.172 DD2.8 DD3.3 DD3.7 DD3.8 DD4.1 DD4.3 DD4.9 DD4.15 DD4.29 DD4.35 DD4.41 DD4.43 DD4.49 DD4.55 DD4.75 DD4.81 DD5.1 DD5.9 DD5.26 DD6.C0.1 DD6.C1.1 DD7.1 DD7.3 DD7.4 DD7.19 DD7.26 DD7.37 DD7.43 DD7.46 G1.1 G1.4 KT4.1 L1.1 L2.1 L3.1 R2.2 R4.2 R6.1 R7.1 R9.2 R10.2 R14.2 R16.2 R17.2 R21.1 R22.1 R28.2 R30.2 XP1.1 XS1.1 XS2.4 XS3.2 XS3.3 XS3.4 | length 124.1
  Top w0.15: XS1.1@-53.75,22.25 -52.95,22.25 v1(-52.6,22.6) ; R7.1@-53.5,30.45 v1(-53.5,31.1) ; R6.1@-52.5,30.45 v1(-52.5,31.1) ; R10.2@-15.5,27.45 v1(-15.5,28.25) ; DD3.3@-9.365,21 v1(-9.365,22.318) ; R2.2@-0.8,29.25 0.2,29.25 0.75,29.8 0.75,31 0.5,31.25 v1(0,31.25) R4.2@-0.8,31.25 ; v1(32.75,64.5) 32.75,64.75 R17.2@32.75,65.3 ; v1(33.75,64.5) 33.75,64.75 R16.2@33.75,65.3 ; v1(43.75,64.5) 43.75,64.75 R22.1@43.75,65.3 ; v1(44.75,64.5) 44.75,64.75 R21.1@44.75,65.3
  Top w0.25: C26.1@-55.5,38.7 v1(-55.5,39.225) DD4.1@-55.5,40.275 ; C32.1@-54.5,38.7 v1(-54.5,39.225) DD4.3@-54.5,40.275 ; DD4.81@-53,51.725 v1(-53,52.775) C30.1@-53,53.3 ; C36.1@-51.5,38.7 v1(-51.5,39.225) DD4.9@-51.5,40.275 ; DD4.75@-50,51.725 v1(-50,52.775) C34.1@-50,53.3 ; C28.1@-48.5,38.7 v1(-48.5,39.225) DD4.15@-48.5,40.275 ; v1(-45.75,66.75) R30.2@-45.2,66.75 ; C57.2@-44.3,68.75 v1(-43.75,68.75) ; v1(-43.5,72.25) -43,71.75 DD7.1@-42.625,71.75 ; DD7.4@-42.625,70.25 v1(-43.5,70.25) -43,70.75 DD7.3@-42.625,70.75 ; C37.1@-41.5,38.7 v1(-41.5,39.225) DD4.29@-41.5,40.275 ; DD7.46@-41,72.375 v1(-41,73.25) ; DD4.55@-40,51.725 v1(-40,52.775) C35.1@-40,53.3 ; v1(-40,73.25) -39.5,72.75 DD7.43@-39.5,72.375 ; v1@-39.55,63.95 C56.2@-39,63.95 DD7.19@-39,65.625 ; C33.1@-38.5,38.7 v1(-38.5,39.225) DD4.35@-38.5,40.275 ; DD4.49@-37,51.725 v1(-37,52.775) C31.1@-37,53.3 ; v1(-37,62.5) R28.2@-37,63.05 ; DD7.37@-36.5,72.375 -36.5,73 -36.25,73.25 v1(-35.25,73.25) ; DD7.26@-35.875,66.75 v1(-34.2,66.75) ; C29.1@-35.5,38.7 v1(-35.5,39.225) DD4.41@-35.5,40.275 ; C27.1@-34.5,38.7 v1(-34.5,39.225) DD4.43@-34.5,40.275 ; C15.1@-27.8,39.75 v1(-27.25,39.75) DD1.127@-25.7,39.75 ; C20.1@-27.8,46.25 v1(-27.25,46.25) DD1.114@-25.7,46.25 ; C18.1@-27.8,51.75 v1(-27.25,51.75) DD1.103@-25.7,51.75 ; C17.1@-27.8,57.75 v1(-27.25,57.75) DD1.91@-25.7,57.75 ; C11.1@-22.25,33.2 v1(-22.25,33.75) DD1.136@-22.25,35.3 ; v1(-21.75,28) KT4.1@-21.75,29 ; C10.1@-21.25,62.8 v1(-21.25,62.25) -20.75,61.75 DD1.82@-20.75,60.7 ; C6.1@-15.75,33.2 v1(-15.75,33.75) DD1.149@-15.75,35.3 ; DD1.72@-15.75,60.7 v1(-15.75,62.25) C7.1@-15.75,62.8 ; v1(-14.9,19.7) -14.9,18.3 -14.65,18.05 C3.2@-14.1,18.05 XS2.4@-14.1,16.55 ; v1(-13.25,25.75) C5.2@-13.25,26.55 -12.85,26.55 -12.6,26.3 -12.6,26.1 -12.3,25.8 -11.905,25.8 ; DD3.8@-11.905,27 -11.905,25.8 ; C13.1@-10.75,33.2 v1(-10.75,33.75) DD1.159@-10.75,35.3 ; DD1.62@-10.75,60.7 v1(-10.75,62.25) C9.1@-10.75,62.8 ; DD3.7@-10.635,27 -10.635,25.965 -10.8,25.8 -11.905,25.8 ; C19.1@-4.25,33.2 v1(-4.25,33.75) DD1.172@-4.25,35.3 ; DD1.49@-4.25,60.7 v1(-4.25,62.25) C8.1@-4.25,62.8 ; DD1.6@-0.3,39.75 v1(1.25,39.75) C21.1@1.8,39.75 ; DD1.15@-0.3,44.25 v1(1.25,44.25) C12.1@1.8,44.25 ; DD1.23@-0.3,48.25 v1(1.25,48.25) C14.1@1.8,48.25 ; DD1.36@-0.3,54.75 0.75,54.75 1.25,54.25 1.25,53.75 1.5,53.5 3.25,53.5 3.55,53.8 C16.1@3.55,54.25 ; L1.1@2.702,54.25 C16.1@3.55,54.25 ; v1(5,55.25) 4.25,55.25 3.55,54.55 C16.1@3.55,54.25 ; G1.1@11.55,53.75 G1.4@11.55,52.2 12.6,52.2 12.75,52.35 C2.2@12.75,52.75 C1.2@12.75,53.75 v1(12.75,54.55) ; R9.2@12.45,50 v1(13,50) C4.2@13.55,50 13.55,49.45 13.81,49.19 DD2.8@13.81,48.405 ; DD6.C1.1@13.445,31.762 C50.C1.2@13.445,33.5 C51.C1.2@13.445,34.5 v1(13.995,34.5) ; v1(20.5,48.75) R14.2@21.05,48.75 ; v1(22.5,53.5) C38.1@21.95,53.5 C39.1@21.95,52.5 C40.1@21.95,51.5 22.4,51.5 22.6,51.7 22.6,52.4 22.95,52.75 DD5.9@25.15,52.75 ; v1(22.7,42) C43.1@22.7,42.75 C41.1@22.7,43.75 23.25,43.75 23.75,44.25 DD5.26@25.15,44.25 ; C42.1@23.2,56.75 v1(23.75,56.75) DD5.1@25.15,56.75 ; v1(38,44.498) L2.1@38,45.048 ; v1(38,49.498) L3.1@38,50.048 ; DD6.C0.1@43.445,31.762 C50.C0.2@43.445,33.75 C51.C0.2@43.445,34.75 v1(43.995,34.75)
  other v1: -21.75,27.25 -21,27.25 -21,28 -39.7,63.95 45.75,66.25 46.5,66.25 45.75,67 46.5,67
VCC3P3_LVDS: C47.1 C48.1 C49.1 DD5.44 L3.2 | length 5.2
  Top w0.25: DD5.44@32.85,50.75 34,50.75 34.2,50.95 C49.1@35,50.95 C48.1@36,50.95 C47.1@37,50.95 37.998,50.95 L3.2@38,50.952
VCC3P3_PLL: C44.1 C45.1 C46.1 DD5.34 L2.2 | length 5.2
  Top w0.25: DD5.34@32.85,45.75 34,45.75 34.2,45.95 C46.1@35,45.95 C45.1@36,45.95 C44.1@37,45.95 37.998,45.95 L2.2@38,45.952
VCC5P0: A1.C0.2 A1.C1.2 C52.C0.2 C52.C1.2 C62.2 C64.2 C72.2 C73.2 DA2.5 DA4.1 DA4.2 KT6.1 L4.1 L5.2 R40.2 | length 20.2
  Top w0.15: R40.2@-22.55,16 v1(-22.55,16.7)
  Top w0.25: -22.9,20.9 KT6.1@-22,20
  Top w0.4: A1.C1.2@16.95,29.27 18.23,29.27 18.25,29.25 18.75,29.75 18.75,33.25 17.45,34.55 C52.C1.2@17.45,35.5 v1(18.25,35.5) ; A1.C0.2@46.95,29.27 48.23,29.27 48.25,29.25 48.75,29.75 48.75,33.25 47.45,34.55 C52.C0.2@47.45,35.5 v1(48.25,35.5)
  other v1: -28.25,21.5 -27.5,21.5 -28.25,22.25 -27.5,22.25 51.75,51.25 52.5,51.25 51.75,52 52.5,52
VCC12P0: C68.2 C70.2 C71.2 KT5.1 R37.1 VD3.2 XS3.38 XS3.39 XS3.40 | length 4.2
  Top w0.2: C68.2@46.5,58.95 R37.1@47.5,58.95 47.5,59.7 48.05,60.25 v1(48.75,60.25) ; v1(49.5,61) KT5.1@49.5,62
  other v1: 49.5,60.25 48.75,61 27.25,69.75 28,69.75 28.75,69.75
WE_N: DD1.46 DD4.17 | length 62.9
  Top w0.15: DD4.17@-47.5,40.275 -47.5,39.4 -43.805,35.705 -38.168,35.705 -37.477,36.395 -34.395,36.395 -34.195,36.195 -26.195,36.195 v1(-25.9,35.9) ; v1(-5.8,55) -5.8,56.1 -2.75,59.15 DD1.46@-2.75,60.7
  Bottom w0.15: v1(-25.9,35.9) -25.328,35.9 -23.128,38.1 -22.3,38.1 -21.3,39.1 -21.3,41.4 -22.1,42.2 -22.1,42.95 -10.05,55 v1(-5.8,55)
WIFI_RX: DD1.93 DD7.41 | length 34.1
  Top w0.15: v1(-39,73.25) -38.5,72.75 DD7.41@-38.5,72.375 ; v1(-27.3,56.1) -26.65,56.75 DD1.93@-25.7,56.75
  Bottom w0.15: v1(-39,73.25) -38.35,73.9 -37.15,73.9 -34.9,71.65 -34.9,63.35 -36.9,61.35 -36.9,58.2 -35.2,56.5 -31.5,56.5 -29.773,54.773 -28.627,54.773 v1(-27.3,56.1)
WIFI_TX: DD1.92 DD7.40 | length 34.3
  Top w0.15: DD7.40@-38,72.375 v1(-38,73.25) ; v1(-27.3,56.9) -26.95,57.25 DD1.92@-25.7,57.25
  Bottom w0.15: v1(-38,73.25) -37,73.25 -35.25,71.5 -35.25,63.475 -37.3,61.425 -37.3,58.1 -35.286,56.086 -31.514,56.086 -29.898,54.47 -28.03,54.47 -26.7,55.8 -26.7,56.3 v1(-27.3,56.9)
pads on no net: A1.C0.8 A1.C1.8 DD1.1 DD1.2 DD1.7 DD1.8 DD1.9 DD1.10 DD1.30 DD1.33 DD1.34 DD1.35 DD1.40 DD1.44 DD1.94 DD1.95 DD1.99 DD1.107 DD1.116 DD1.146 DD1.147 DD1.165 DD4.14 DD4.30 DD4.57 DD4.70 DD4.73 DD6.C0.4 DD6.C0.5 DD6.C0.11 DD6.C0.14 DD6.C1.4 DD6.C1.5 DD6.C1.11 DD6.C1.14 DD7.5 DD7.6 DD7.7 DD7.8 DD7.10 DD7.11 DD7.12 DD7.13 DD7.14 DD7.15 DD7.16 DD7.17 DD7.18 DD7.20 DD7.22 DD7.23 DD7.24 DD7.25 DD7.27 DD7.28 DD7.29 DD7.30 DD7.31 DD7.32 DD7.33 DD7.34 DD7.35 DD7.36 DD7.38 DD7.39 DD7.42 DD7.44 DD7.45 DD7.47 DD7.48 FM1.FM FM3.FM FM5.FM MH1.MH MH2.MH MH3.MH XP2.MH XS1.6 XS1.7 XS1.SH XS2.CDA XS3.SH XS4.C0.0 XS4.C0.4 XS4.C0.6 XS4.C1.0 XS4.C1.4 XS4.C1.6

## Polygon pours and split planes (outlines as drawn)
NetC65_1 on Bottom "NONET_L-01_P-001" (solid, remove dead copper, pour order 122): -28.5,12.7 -30.3,12.7 -34.05,16.45 -34.05,18.5 -33.75,18.8 -33,18.8 -32.7,18.5 -32.7,18.175 -28.825,14.3 -28.5,14.3 -28.275,14.2 -27.8,13.725 -27.7,13.5 -27.8,13.275 -28.3,12.775
no net on Bottom "NONET_L04_P096" (solid, remove dead copper, pour order 96): 3.525,43.35
no net on Bottom "NONET_L04_P092" (solid, remove dead copper, pour order 92): 6.1,45.6
NetFP1_1 on Top "NONET_L-01_P-001" (solid, remove dead copper, pour order 136): -42.9,7 -40.9,7 -40.9,10.15 -41.925,11.175 -41.925,12.5 -42.375,12.95 -44.625,12.95 -45.075,12.5 -45.075,11.175 -42.9,9
GND on Top "NONET_L-01_P-001" (solid, remove dead copper, pour order 134): -47.3,13.75 -47,14.05 -46,14.05 -45.7,13.75 -45.7,12 -46,11.7 -47,11.7 -47.3,12
GND on Top "NONET_L-01_P-001" (solid, remove dead copper, pour order 132): -35.85,14.55 -35.4,14.1 -30.125,14.1 -29.65,14.575 -29.65,14.725 -29.425,14.95 -28.45,14.95 -27.6,14.1 -26.8,14.1 -26.8,14.8 -27.7,15.7 -27.7,16.525 -27.275,16.95 -26.5,16.95 -26.2,17.25 -26.2,18 -26.5,18.3 -31.15,18.3 -32.9,16.55 -35.45,16.55 -35.85,16.15
VCC3P3 on Top "NONET_L-01_P-001" (solid, remove dead copper, pour order 130): -24.85,25.925 -24.9,25.975 -24.9,26.575 -24.85,26.625 -22.675,26.625 -22.05,27.25 -22.05,28 -21.75,28.3 -21,28.3 -20.7,28 -20.7,26.725 -21.5,25.925
GND on Top "NONET_L-01_P-001" (solid, remove dead copper, pour order 128): -21,23.45 -20.7,23.75 -20.7,24.9 -21.1,25.3 -25.25,25.3 -25.7,25.75 -25.7,26.5 -26,26.8 -31.75,26.8 -32.05,26.5 -32.05,23.5 -31.75,23.2 -26,23.2 -25.7,23.5 -25.7,24.25 -25.25,24.7 -22.9,24.7 -22.5,24.3 -22.5,23.625 -22.325,23.45
VCC5P0 on Top "NONET_L-01_P-001" (solid, remove dead copper, pour order 126): -34.3,25 -34.3,23.925 -31.875,21.5 -28.55,21.5 -28.55,22.25 -28.25,22.55 -27.5,22.55 -27.2,22.25 -27.2,21.5 -25.55,21.5 -24.9,22.15 -24.9,24.025 -22.9,24.025 -22.9,23.35 -22.375,22.825 -21.775,22.825 -21.55,22.6 -21.55,22.2 -24.125,19.625 -34.475,19.625 -37.7,22.85 -37.7,25
NetC65_1 on Top "NONET_L-01_P-001" (solid, remove dead copper, pour order 124): -37.7,19.15 -33.2,19.15 -32.7,18.65 -32.7,17.6 -33.3,17 -37.7,17
NetC65_1 on Top "NONET_L-01_P-001" (solid, remove dead copper, pour order 120): -26.8,13.85 -26.8,13.15 -27.925,13.15 -28.275,12.8 -28.725,12.8 -29.2,13.275 -29.2,13.725 -28.725,14.2 -28.275,14.2 -27.925,13.85
NetC61_2 on Top "NONET_L-01_P-001" (solid, remove dead copper, pour order 118): -38.4,12.9 -38.5,12.8 -38.5,11.8 -37.325,10.625 -28.375,10.625 -26.8,12.2 -26.8,12.9 -27.875,12.9 -28.25,12.525 -29.25,12.525 -29.625,12.9
NetC59_2 on Top "NONET_L-01_P-001" (solid, remove dead copper, pour order 116): -38.4,14.2 -38.4,15.2 -40.95,17.75 -45.975,17.75 -47.125,16.6 -47.125,15.6 -42.1,15.6 -40.7,14.2
GND on Top "NONET_L-01_P-001" (solid, remove dead copper, pour order 114): 52.25,54.35 52.45,54.55 52.45,55.275 52.175,55.55 49.525,55.55 49.35,55.725 49.35,56.675 49.625,56.95 50,56.95 50.3,57.25 50.3,58.15 50.175,58.275 48.75,58.275 48.55,58.075 48.55,56.775 48.65,56.675 48.65,55.725 48.475,55.55 47.325,55.55 47.1,55.775 46.2,55.775 46.2,54.225 47.1,54.225 47.325,54.45 51,54.45 51.1,54.35
VCC5P0 on Top "NONET_L-01_P-001" (solid, remove dead copper, pour order 112): 55.725,54.05 50.575,54.05 50.425,54.2 49.6,54.2 49.6,53.4 50.55,53.4 51.45,52.5 51.45,51.25 51.75,50.95 52.5,50.95 52.8,51.25 52.8,52.5 53.25,52.95 55.725,52.95
NetDA2_1 on Top "NONET_L-01_P-001" (solid, remove dead copper, pour order 110): 49.6,55.8 55.575,55.8 55.725,55.95 55.725,57.05 52.75,57.05 52.5,56.8 51.5,56.8 51.3,56.6 49.6,56.6
VCC12P0 on Top "NONET_L-01_P-001" (solid, remove dead copper, pour order 108): 52.5,59.2 52,58.7 48.6,58.7 48.45,58.85 48.45,61 48.75,61.3 49.5,61.3 49.8,61 49.8,59.8 50,59.6 50.8,59.6 51.4,60.2 52.5,60.2
GND on Top "GND_L01_P106" (solid, remove dead copper, pour order 106): -48.85,70.3 -46.65,70.3 -46.65,68.675 -46.875,68.45 -48.625,68.45 -48.85,68.675
GND on Top "GND_L01_P104" (solid, remove dead copper, pour order 104): -48.85,72.2 -46.65,72.2 -46.65,73.825 -46.875,74.05 -48.625,74.05 -48.85,73.825
VCC3P3 on Top "NONET_L-01_P-001" (solid, remove dead copper, pour order 102): 45.1,68.9 46.4,68.9 46.4,67.7 46.8,67.3 46.8,66.25 46.5,65.95 45.75,65.95 45.45,66.25 45.45,67 45.1,67.35
VCC12P0 on Top "NONET_L-01_P-001" (solid, remove dead copper, pour order 100): 27.05,67.7 28.4,67.7 28.4,68.9 29.05,69.55 29.05,69.75 28.75,70.05 27.25,70.05 26.95,69.75 26.95,67.8
GND on Top "GND_L01_P098" (solid, remove dead copper, pour order 98): -21,17.25 -19.25,17.25 -19.25,15.75 -19,15.5 -16.7,15.5 -16.7,17.2 -15.9,17.2 -15.9,15.5 -10.25,15.5 -10,15.75 -10,17.25 -6.25,17.25 -6.25,0.5 -21,0.5
GND on GND 1 (split plane): 51.75,70 51.75,69.787 51.806,69.365 51.916,68.953 52.079,68.559 52.292,68.191 52.551,67.853 52.853,67.551 53.191,67.292 53.559,67.079 53.953,66.916 54.365,66.806 54.787,66.75 55,66.75 59.49,66.75 59.49,61.421 59.345,61.361 59.196,61.279 59.058,61.181 58.932,61.068 58.819,60.942 58.721,60.804 58.639,60.655 58.574,60.499 58.527,60.336 58.499,60.169 58.49,60 58.499,59.831 58.527,59.664 58.574,59.501 58.639,59.345 58.721,59.196 58.819,59.058 58.932,58.932 59.058,58.819 59.196,58.721 59.345,58.639 59.49,58.579 59.49,27 2,27 -3,22 -3,8.75 -5.75,8.75 -5.75,0.51 -51.75,0.51 -51.75,5 -51.75,5.213 -51.806,5.635 -51.916,6.047 -52.079,6.441 -52.292,6.809 -52.551,7.147 -52.852,7.449 -53.19,7.708 -53.559,7.921 -53.953,8.084 -54.365,8.194 -54.787,8.25 -55,8.25 -59.49,8.25 -59.49,66.75 -55,66.75 -54.787,66.75 -54.365,66.806 -53.953,66.916 -53.559,67.079 -53.19,67.292 -52.852,67.551 -52.551,67.853 -52.292,68.191 -52.079,68.559 -51.916,68.953 -51.806,69.365 -51.75,69.787 -51.75,70 -51.75,74.49 51.75,74.49
VCC3P3 on Power 2 (split plane): 25.898,70 25.906,69.961 25.928,69.928 26.928,68.928 26.961,68.906 27,68.898 45.958,68.898 46.898,67.958 46.898,58 46.898,34.042 43.958,31.102 34.042,31.102 33.102,32.042 33.102,35 33.094,35.039 33.072,35.072 32.072,36.072 32.039,36.094 32,36.102 16,36.102 15.961,36.094 15.928,36.072 14.928,35.072 14.906,35.039 14.898,35 14.898,32.042 13.958,31.102 1,31.102 0.961,31.094 0.928,31.072 -12.042,18.102 -17.958,18.102 -25.928,26.072 -25.961,26.094 -26,26.102 -38,26.102 -38.039,26.094 -38.072,26.072 -40.072,24.072 -40.094,24.039 -40.102,24 -40.102,0.51 -51.75,0.51 -51.75,5 -51.75,5.213 -51.806,5.635 -51.916,6.047 -52.079,6.441 -52.292,6.809 -52.551,7.147 -52.852,7.449 -53.19,7.708 -53.559,7.921 -53.953,8.084 -54.365,8.194 -54.787,8.25 -55,8.25 -59.49,8.25 -59.49,66.75 -55,66.75 -54.787,66.75 -54.365,66.806 -53.953,66.916 -53.559,67.079 -53.19,67.292 -52.852,67.551 -52.551,67.853 -52.292,68.191 -52.079,68.559 -51.916,68.953 -51.806,69.365 -51.75,69.787 -51.75,70 -51.75,74.49 25.898,74.49
VCC5P0 on Power 2 (split plane): 59.49,27 2,27 -3,22 -3,8.75 -5.75,8.75 -5.75,0.51 -39.898,0.51 -39.898,23.958 -37.958,25.898 -26.042,25.898 -18.072,17.928 -18.039,17.906 -18,17.898 -12,17.898 -11.961,17.906 -11.928,17.928 1.042,30.898 14,30.898 14.039,30.906 14.072,30.928 15.072,31.928 15.094,31.961 15.102,32 15.102,34.958 16.042,35.898 31.958,35.898 32.898,34.958 32.898,32 32.906,31.961 32.928,31.928 33.928,30.928 33.961,30.906 34,30.898 44,30.898 44.039,30.906 44.072,30.928 47.072,33.928 47.094,33.961 47.102,34 47.102,55.898 59.49,55.898
VCC12P0 on Power 2 (split plane): 51.75,70 51.75,69.787 51.806,69.365 51.916,68.953 52.079,68.559 52.292,68.191 52.551,67.853 52.853,67.551 53.191,67.292 53.559,67.079 53.953,66.916 54.365,66.806 54.787,66.75 55,66.75 59.49,66.75 59.49,61.421 59.345,61.361 59.196,61.279 59.058,61.181 58.932,61.068 58.819,60.942 58.721,60.804 58.639,60.655 58.574,60.499 58.527,60.336 58.499,60.169 58.49,60 58.499,59.831 58.527,59.664 58.574,59.501 58.639,59.345 58.721,59.196 58.819,59.058 58.932,58.932 59.058,58.819 59.196,58.721 59.345,58.639 59.49,58.579 59.49,56.102 47.102,56.102 47.102,58 47.102,68 47.094,68.039 47.072,68.072 46.072,69.072 46.039,69.094 46,69.102 27.042,69.102 26.102,70.042 26.102,74.49 51.75,74.49

## Other copper
GND 1 (plane layer: these items are gaps in the copper):
  pour cut-out: 60,66.75 60,75 51.75,75 51.75,70 ccw(c55,70) 55,66.75
  pour cut-out: -60,8.25 -60,0 -51.75,0 -51.75,5 ccw(c-55,5) -55,8.25
  pour cut-out: -60,66.75 -60,75 -51.75,75 -51.75,70 cw(c-55,70) -55,66.75
  pour cut-out: -5.75,0 -5.75,8.75 -3,8.75 -3,22 2,27 60,27 60,0
Power 2 (plane layer: these items are gaps in the copper):
  pour cut-out: -60,66.75 -60,75 -51.75,75 -51.75,70 cw(c-55,70) -55,66.75
  pour cut-out: 60,66.75 60,75 51.75,75 51.75,70 ccw(c55,70) 55,66.75
  pour cut-out: -60,8.25 -60,0 -51.75,0 -51.75,5 ccw(c-55,5) -55,8.25
  pour cut-out: -5.75,0 -5.75,8.75 -3,8.75 -3,22 2,27 60,27 60,0
  lines w0.2: -40,0 -40,24 -38,26 -26,26 -18,18 -12,18 1,31 14,31 15,32 15,35 16,36 32,36 33,35 33,32 34,31 44,31 47,34 47,58 47,68 46,69 27,69 26,70 26,75 ; 47,56 60,56

## Silkscreen, mask and mechanical layers (free items; w line width, h text height)
Top Overlay:
  text ".GlobalProjectName rev..GlobalProjectRevision" at 59.234,36 h1.5 r90
Top Solder:
  text "'.PCB_Week'" at 57,36 h2 r90
Board Outline:
  the board outline again, w0.25